# KiCad board splinter_v2.kicad_pcb
title: splinter; date: 2022-08-25; rev: 0.1; company: filterpaper
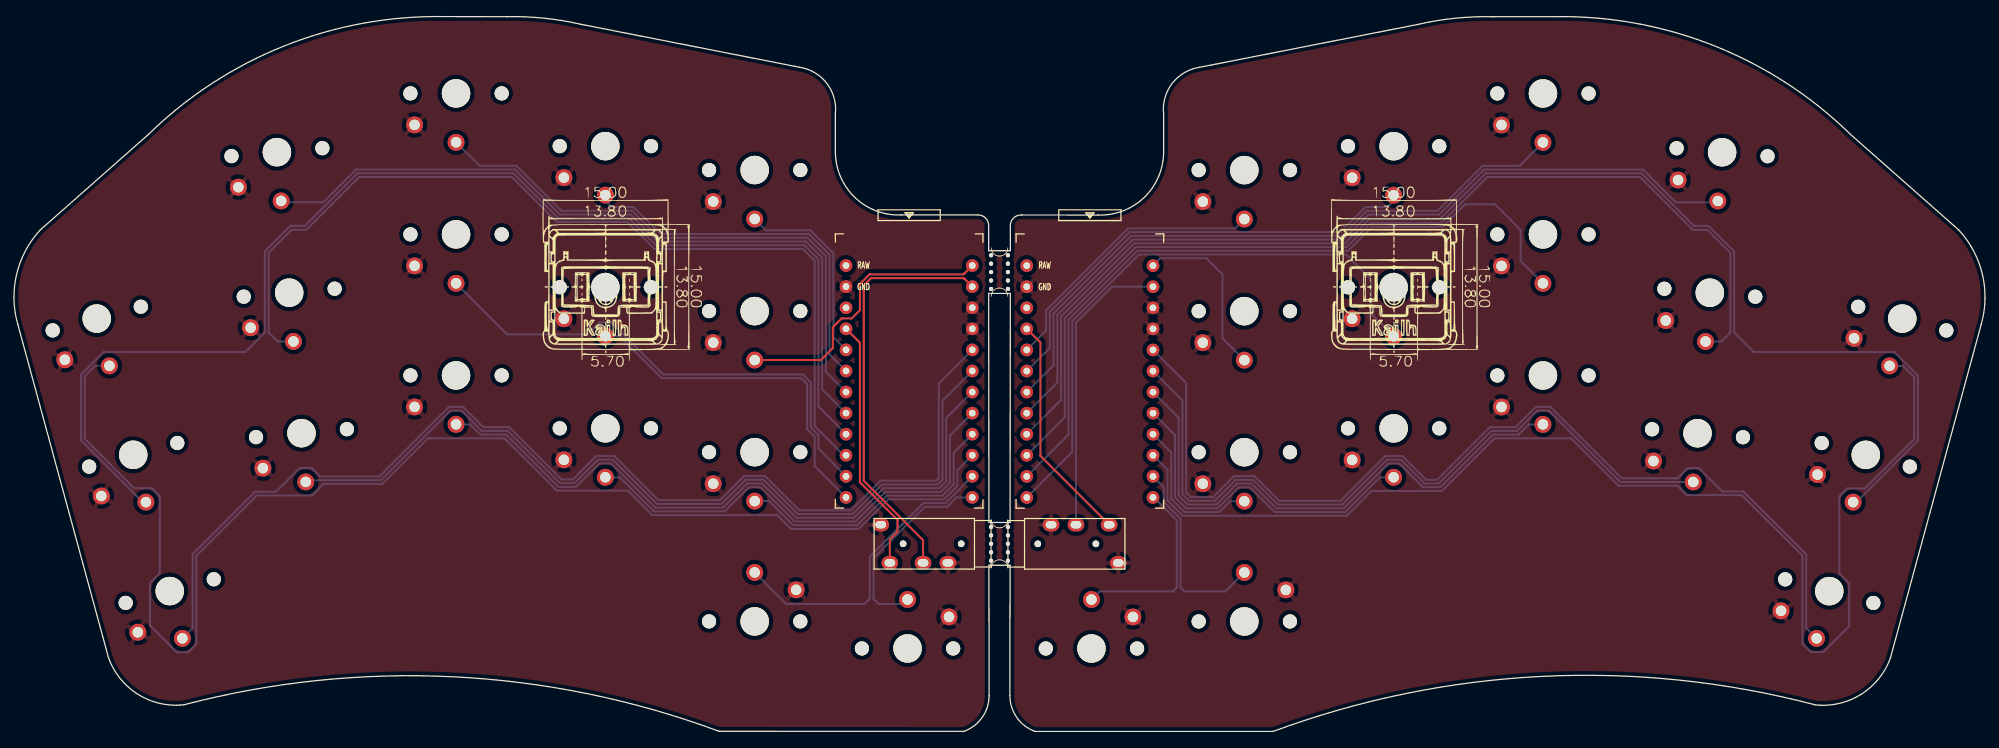
[diagram p0: board, top side]
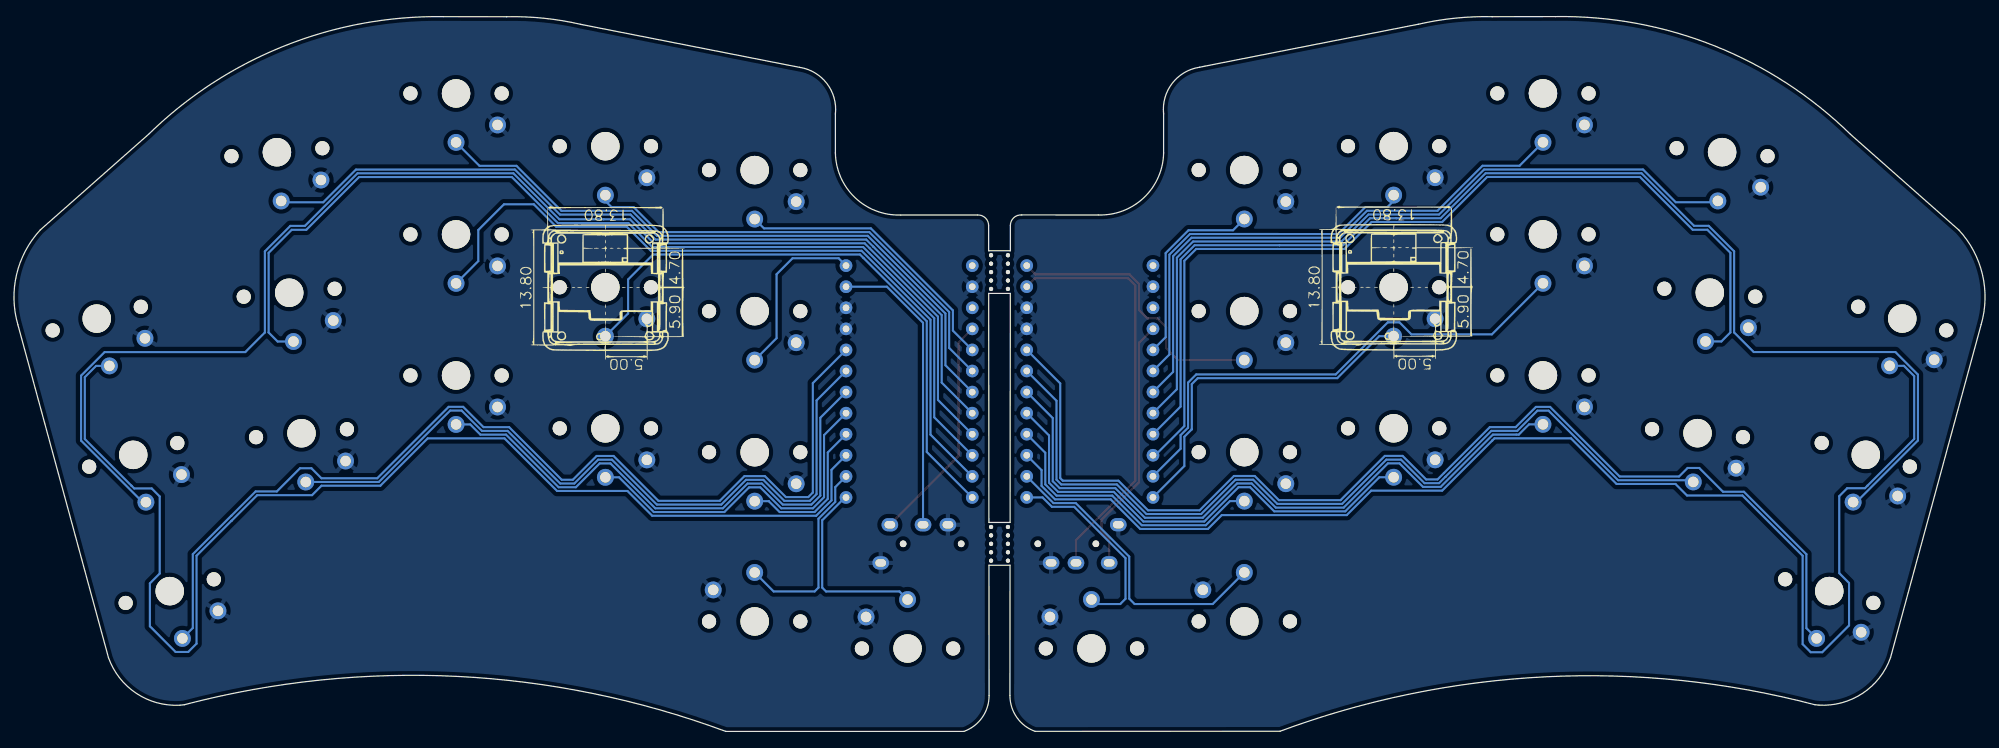
[diagram p1: board, bottom side, seen from below]

Outline 237.61 x 86.15 mm; copper layers: Top, Bottom. Coordinates in mm from the lower left corner of the outline.
Outline path: 0.47,49.03 arc(0.32,55.08) 3.16,60.43 16.22,71.96 arc(32.58,82.61) 51.78,86.15 59.4,86.14 arc(63.89,85.96) 68.33,85.22 94.71,80.04 arc(97.99,78.1) 99.02,74.43 99.02,69.71 arc(101.4,64.33) 106.9,62.24 116.15,62.24 arc(117.1,61.9) 117.5,60.97 117.5,57.93 120.11,57.93 120.12,60.96 arc(120.51,61.89) 121.47,62.24 130.71,62.23 arc(136.21,64.32) 138.59,69.71 138.59,74.42 arc(139.62,78.09) 142.9,80.03 169.29,85.22 arc(173.72,85.95) 178.21,86.13 185.83,86.14 arc(205.03,82.6) 221.39,71.95 234.45,60.42 arc(237.29,55.07) 237.14,49.02 226.22,8.89 arc(222.86,4.59) 217.6,3.16 217.09,3.21 arc(184.2,6.63) 151.8,0 123.09,0 arc(120.89,1.68) 120.06,4.32 120.08,20.03 117.54,20.03 117.55,4.33 arc(116.72,1.68) 114.52,0.01 84.98,0.02 arc(52.99,6.58) 20.52,3.22 20.02,3.17 arc(14.75,4.6) 11.39,8.9 0.47,49.03 ; 117.5,52.79 120.11,52.79 120.08,25.19 117.53,25.19 117.5,52.79

## Placement (name value [footprint] x y rotation side)
Jack0  TRRS  [TRRS-PJ-DPB2]  115.79 22.61 270 top
Jack0#2  TRRS  [TRRS-PJ-DPB2]  121.82 22.61 90 top
mouse-bite-5mm-slot  VAL**  [mouse-bite-5mm-slot-with-space-for-track]  118.81 22.61 0 top
mouse-bite-5mm-slot#2  VAL**  [mouse-bite-5mm-slot-with-space-for-track]  118.81 55.36 0 top
SW3  SW_Push  [SW_PG1350_rev_DPB2]  31.7 69.81 5 top
SW3#2  SW_Push  [SW_PG1350_rev_DPB2#2]  205.91 69.8 175 bottom
SW4  SW_Push  [SW_PG1350_rev_DPB2]  53.29 76.9 0 top
SW4#2  SW_Push  [SW_PG1350_rev_DPB2#2]  184.32 76.89 180 bottom
SW5  SW_Push  [SW_PG1350_rev_DPB2]  71.29 70.54 0 top
SW5#2  SW_Push  [SW_PG1350_rev_DPB2#2]  166.32 70.53 180 bottom
SW6  SW_Push  [SW_PG1350_rev_DPB2]  89.29 67.66 0 top
SW6#2  SW_Push  [SW_PG1350_rev_DPB2#2]  148.32 67.65 180 bottom
SW8  SW_Push  [SW_PG1350_rev_DPB2]  14.38 33.34 15 top
SW8#2  SW_Push  [SW_PG1350_rev_DPB2]  18.78 16.91 15 top
SW8#3  SW_Push  [SW_PG1350_rev_DPB2#2]  223.23 33.33 165 bottom
SW8#4  SW_Push  [SW_PG1350_rev_DPB2#2]  218.83 16.91 165 bottom
SW9  SW_Push  [SW_PG1350_rev_DPB2]  33.18 52.88 5 top
SW9#2  SW_Push  [SW_PG1350_rev_DPB2#2]  204.43 52.87 175 bottom
SW10  SW_Push  [SW_PG1350_rev_DPB2]  53.29 59.91 0 top
SW10#2  SW_Push  [SW_PG1350_rev_DPB2#2]  184.32 59.9 180 bottom
SW11  SW_Push  [SW_PG1350_rev_DPB2]  71.29 53.54 0 top
SW11#2  SW_Push  [SW_PG1350_rev_DPB2#2]  166.32 53.53 180 bottom
SW12  SW_Push  [SW_PG1350_rev_DPB2]  89.29 50.66 0 top
SW12#2  SW_Push  [SW_PG1350_rev_DPB2#2]  148.32 50.65 180 bottom
SW14  SW_Push  [SW_PG1350_rev_DPB2]  9.98 49.76 15 top
SW14#2  SW_Push  [SW_PG1350_rev_DPB2#2]  227.63 49.75 165 bottom
SW15  SW_Push  [SW_PG1350_rev_DPB2]  34.66 35.94 5 top
SW15#2  SW_Push  [SW_PG1350_rev_DPB2#2]  202.95 35.94 175 bottom
SW16  SW_Push  [SW_PG1350_rev_DPB2]  53.29 42.91 0 top
SW16#2  SW_Push  [SW_PG1350_rev_DPB2#2]  184.32 42.9 180 bottom
SW17  SW_Push  [SW_PG1350_rev_DPB2]  71.29 36.53 0 top
SW17#2  SW_Push  [SW_PG1350_rev_DPB2#2]  166.32 36.52 180 bottom
SW18  SW_Push  [SW_PG1350_rev_DPB2]  89.29 33.66 0 top
SW18#2  SW_Push  [SW_PG1350_rev_DPB2#2]  148.32 33.65 180 bottom
SW20  SW_Push  [SW_PG1350_rev_DPB2]  89.29 13.26 180 top
SW20#2  SW_Push  [SW_PG1350_rev_DPB2#2]  148.32 13.25 0 bottom
SW21  SW_Push  [SW_PG1350_rev_DPB2]  107.72 10 180 top
SW21#2  SW_Push  [SW_PG1350_rev_DPB2#2]  129.89 9.99 0 bottom
U1  ProMicro-kbd  [ProMicro_v3_min_dual]  107.91 41.66 0 top
U1#2  ProMicro-kbd  [ProMicro_v3_min_dual]  129.7 41.66 0 top

## Library data of the parts
Jack0 = -: Field4: Tip; Field5: Ring2; Field6: Ring1; Field7: Sleeve
Jack0#2 = -: Field4: Ring1; Field5: Sleeve; Field6: Tip; Field7: Ring2

## Footprints (pads in the part's own frame, mm; a bottom-side part is the same pattern mirrored in y, then rotated)
mouse-bite-5mm-slot-with-space-for-track
  round 0.5 hole 0.5 unplated: (-1.016,2.032) (-1.016,1.016) (-1.016,0) (-1.016,-1.016) (-1.016,-2.032) (1.016,2.032) (1.016,1.016) (1.016,0) (1.016,-1.016) (1.016,-2.032)
ProMicro_v3_min_dual
  round 1.524 hole 0.813: 1(7.611,14.478) 2(7.611,11.938) 3(7.611,9.398) 4(7.611,6.858) 5(7.611,4.318) 6(7.611,1.778) 7(7.611,-0.762) 8(7.611,-3.302) 9(7.611,-5.842) 10(7.611,-8.382) 11(7.611,-10.922) 12(7.611,-13.462) 13(-7.609,-13.462) 14(-7.609,-10.922) 15(-7.609,-8.382) 16(-7.609,-5.842) 17(-7.609,-3.302) 18(-7.609,-0.762) 19(-7.609,1.778) 20(-7.609,4.318) 21(-7.609,6.858) 22(-7.609,9.398) 23(-7.609,11.938) 24(-7.609,14.478)
SW_PG1350_rev_DPB2
  round 1.702 hole 1.702 unplated: (-5.5,0) (5.5,0)
  round 3.429 hole 3.429 unplated: (0,0)
  round 2.032 hole 1.27: 1(0,-5.9) 2(-5,-3.8)
SW_PG1350_rev_DPB2#2
  round 1.702 hole 1.702 unplated: (-5.5,0) (5.5,0)
  round 3.429 hole 3.429 unplated: (0,0)
  round 2.032 hole 1.27: 1(0,-5.9) 2(5,-3.8)
TRRS-PJ-DPB2
  round 0.8 hole 0.8 unplated: (0,-1.6) (0,-8.6)
  oval 1.6x2 hole 0.9x1.3: R1(2.3,-6.2) R2(2.3,-3.2) S(-2.3,-11.3) T(2.3,-10.2)

## Nets
gnd: Jack0.R2 Jack0.S Jack0#2.R2 Jack0#2.S SW3.2 SW3#2.2 SW4.2 SW4#2.2 SW5.2 SW5#2.2 SW6.2 SW6#2.2 SW8.2 SW8#2.2 SW8#3.2 SW8#4.2 SW9.2 SW9#2.2 SW10.2 SW10#2.2 SW11.2 SW11#2.2 SW12.2 SW12#2.2 SW14.2 SW14#2.2 SW15.2 SW15#2.2 SW16.2 SW16#2.2 SW17.2 SW17#2.2 SW18.2 SW18#2.2 SW20.2 SW20#2.2 SW21.2 SW21#2.2 U1.3 U1.4 U1.23 U1#2.3 U1#2.4 U1#2.23
vcc: Jack0.T Jack0#2.T U1.21 U1#2.21
raw: U1.24 U1#2.24
reset: U1.22 U1#2.22
Switch1: SW14.1 U1.10
Switch1_r: SW14#2.1 U1#2.10
Switch2: SW3.1 U1.17
Switch2_r: SW3#2.1 U1#2.17
Switch3: SW4.1 U1.18
Switch3_r: SW4#2.1 U1#2.18
Switch4: SW5.1 U1.19
Switch4_r: SW5#2.1 U1#2.19
Switch5: SW6.1 U1.20
Switch5_r: SW6#2.1 U1#2.20
Switch6: SW8.1 U1.16
Switch6_r: SW8#3.1 U1#2.16
Switch7: SW9.1 U1.15
Switch7_r: SW9#2.1 U1#2.15
Switch8: SW10.1 U1.14
Switch8_r: SW10#2.1 U1#2.14
Switch9: SW11.1 U1.13
Switch9_r: SW11#2.1 U1#2.13
Switch10: SW12.1 U1.1
Switch10_r: SW12#2.1 U1#2.1
Switch11: SW8#2.1 U1.5
Switch11_r: SW8#4.1 U1#2.5
Switch12: SW15.1 U1.6
Switch12_r: SW15#2.1 U1#2.6
Switch13: SW16.1 U1.7
Switch13_r: SW16#2.1 U1#2.7
Switch14: SW17.1 U1.8
Switch14_r: SW17#2.1 U1#2.8
Switch15: SW18.1 U1.9
Switch15_r: SW18#2.1 U1#2.9
Switch16: SW20.1 U1.11
Switch16_r: SW20#2.1 U1#2.11
Switch17: SW21.1 U1.12
Switch17_r: SW21#2.1 U1#2.12
Switch18: Jack0.R1 U1.2
Switch18_r: Jack0#2.R1 U1#2.2

## Routing (per net, layer and track width the routed paths; a pad name or vN(x,y) marks a point on that pad's centre or on a via; arc(x,y) is an arc through that point)
gnd: length 0.5
  Top w0.25: 115.52,51.06 116.02,51.06
vcc: length 58.9
  Top w0.25: Jack0#2.T 132.02,24.92 123.74,33.21 123.74,46.87 U1#2.21 ; U1.21 101.99,46.84 101.99,30.02 106.52,25.49 106.52,24.07 105.59,23.14 Jack0.T
Switch1: length 165.7
  Bottom w0.25: 104.46,27.03 105.4,27.97 112.11,27.97 113.74,29.59 113.74,31.49 U1.10 ; 104.48,27.04 101.83,24.4 93.68,24.4 92.01,26.07 76.94,26.07 74,29.02 65.44,29.02 59.14,35.32 49.92,35.32 44.42,29.82 37.32,29.82 35.93,28.43 29.25,28.43 21.99,21.17 21.99,10.51 21.02,9.54 19.63,9.54 16.4,12.77 16.4,17.89 17.58,19.07 17.58,28.35 16.62,29.31 14.48,29.31 14.17,29.62 8.54,35.25 8.54,42.82 9.78,44.06 SW14.1
Switch1_r: length 150.1
  Bottom w0.25: U1#2.10 139.06,31.53 139.06,27.84 140.91,25.99 160.67,25.99 163.66,28.98 172.14,28.98 178.48,35.32 187.73,35.32 193.44,29.61 200.54,29.61 201.68,28.47 208.29,28.47 211.39,25.38 211.39,25.38 215.6,21.17 215.6,10.58 216.6,9.58 218.13,9.58 221.23,12.68 221.23,17.84 220.04,19.03 220.04,28.32 221.01,29.29 223.12,29.29 223.44,29.61 229.07,35.24 229.07,42.69 227.71,44.05 SW14#2.1
Switch2: length 91.5
  Bottom w0.25: U1.17 97.43,41.24 97.43,57.09 95.47,59.05 77.57,59.05 74.32,62.3 65.82,62.3 60.39,67.72 41.23,67.72 37.29,63.78 31.9,63.78
Switch2_r: length 101.9
  Bottom w0.25: U1#2.17 125.77,42.04 125.77,50.18 134.02,58.42 134.87,59.28 160.28,59.28 163.29,62.29 171.8,62.29 177.22,67.71 196.39,67.71 200.33,63.77 205.24,63.77 SW3#2.1
Switch3: length 67.6
  Bottom w0.25: SW4.1 56.12,68.17 60.58,68.17 66,62.75 74.51,62.75 77.76,59.5 95.65,59.5 97.88,57.27 97.88,43.33 U1.18
Switch3_r: length 78.3
  Bottom w0.25: SW4#2.1 181.49,68.16 177.03,68.16 171.61,62.74 163.1,62.74 160.09,59.73 134.69,59.73 125.32,50.36 125.32,44.13 U1#2.18
Switch4: length 45.2
  Bottom w0.25: SW5.1 71.29,63.94 72.04,63.2 74.7,63.2 77.95,59.95 84.41,59.95 85.82,59.95 95.84,59.95 98.33,57.46 98.33,45.42 U1.19
Switch4_r: length 56
  Bottom w0.25: SW5#2.1 166.32,63.94 165.57,63.19 162.91,63.19 159.9,60.18 134.5,60.18 124.87,50.55 124.87,46.22 U1#2.19
Switch5: length 23.5
  Bottom w0.25: SW6.1 90.65,60.4 96.02,60.4 98.78,57.65 98.78,47.51 U1.20
Switch5_r: length 34.2
  Bottom w0.25: SW6#2.1 147.2,60.63 134.31,60.63 124.42,50.74 124.42,48.31 U1#2.20
Switch6: length 150.3
  Bottom w0.25: U1.16 96.98,39.15 96.98,56.9 95.28,58.6 85.05,58.6 77.39,58.6 74.14,61.85 70.97,61.85 65.63,61.85 60.21,67.27 41.41,67.27 35.07,60.93 33.32,60.93 30.25,57.86 30.25,48.08 27.89,45.72 10.81,45.72 8.09,43.01 8.09,35.06 15.51,27.64 SW8.1
Switch6_r: length 160.9
  Bottom w0.25: 134.46,58.23 135.06,58.83 160.46,58.83 163.36,61.72 166.53,61.72 171.87,61.72 177.41,67.26 196.2,67.26 202.54,60.92 204.3,60.92 207.36,57.85 207.36,48.08 209.72,45.72 226.68,45.72 229.52,42.88 229.52,35.05 222.1,27.63 SW8#3.1 ; U1#2.16 126.22,39.95 126.22,49.99 134.46,58.22
Switch7: length 112
  Bottom w0.25: SW9.1 31.78,47 30.7,48.08 30.7,57.67 33.48,60.46 35.24,60.46 41.6,66.82 60.02,66.82 65.44,61.4 73.95,61.4 77.2,58.15 85.28,58.15 95.09,58.15 96.53,56.71 96.53,36.79 100.04,33.28 U1.15
Switch7_r: length 122.5
  Bottom w0.25: SW9#2.1 205.83,46.99 206.91,48.08 206.91,57.67 204.13,60.45 202.37,60.45 196.01,66.81 177.59,66.81 172.05,61.27 163.54,61.27 160.65,58.38 135.25,58.38 126.67,49.81 126.67,37.86 U1#2.15
Switch8: length 62
  Bottom w0.25: U1.14 96.98,34.07 96.98,35.71 96.08,36.6 96.08,36.6 96.08,42.04 95.09,43.02 78.28,43.02 72,49.3 70.6,49.3 69.15,47.85 59.45,47.85 SW10.1
Switch8_r: length 90.1
  Bottom w0.25: U1#2.14 127.12,35.77 127.12,49.62 135.43,57.93 160.83,57.93 163.73,60.82 172.24,60.82 174.94,63.53 178.54,63.53 181.64,60.43 181.64,56.68 SW10#2.1
Switch9: length 42.3
  Bottom w0.25: U1.13 96.53,31.98 96.53,35.51 95.63,36.41 95.63,36.42 95.63,36.42 95.63,41.85 94.91,42.57 78.09,42.57 73.03,47.64 SW11.1
Switch9_r: length 72.1
  Bottom w0.25: U1#2.13 127.57,33.68 127.57,49.43 135.21,57.07 135.22,57.07 135.62,57.48 160.57,57.48 163.58,54.47 163.58,50.37 SW11#2.1
Switch10: length 34.3
  Top w0.25: SW12.1 97.27,44.76 98.72,46.2 98.72,48.71 99.79,49.78 101,49.78 101.99,50.77 101.99,53.94 103.13,55.08 114.47,55.08 114.61,55.22 U1.1
Switch10_r: length 21
  Bottom w0.25: U1#2.1 138.2,57.03 143.75,57.03 145.68,55.1 145.68,47.39 SW12#2.1
Switch11: length 137.5
  Bottom w0.25: SW8#2.1 21.54,12.44 21.54,21.36 29.06,28.88 31.59,28.88 34.46,31.75 35.86,31.75 36.88,30.72 44.05,30.72 52.43,39.11 54.14,39.11 56.58,36.67 59.7,36.67 65.23,31.13 66,30.37 67.38,30.37 70.21,33.2 72.36,33.2 77.69,27.87 85.13,27.87 88.04,30.78 90.54,30.78 94.68,26.65 100.9,26.65 104.47,30.22 111.18,30.22 111.49,30.53 111.49,41.94 U1.5
Switch11_r: length 122.2
  Bottom w0.25: U1#2.5 141.31,41.98 141.31,28.79 141.86,28.24 144.56,28.24 147.08,30.77 149.55,30.77 152.53,27.79 159.92,27.79 165.33,33.2 167.38,33.2 170.25,30.33 171.58,30.33 177.92,36.67 181.01,36.67 183.46,39.12 185.21,39.12 193.82,30.51 200.55,30.51 201.75,31.72 203.12,31.72 205.92,28.92 208.48,28.92 211.43,25.97 211.44,25.97 216.05,21.36 216.05,12.46 SW8#4.1
Switch12: length 106.1
  Bottom w0.25: U1.6 111.94,39.85 111.94,30.34 111.36,29.77 104.66,29.77 101.09,26.2 94.49,26.2 90.36,30.33 88.22,30.33 85.31,27.42 77.5,27.42 72.17,32.75 70.4,32.75 67.57,29.92 65.81,29.92 65.05,30.68 59.51,36.22 56.39,36.22 53.96,38.66 52.62,38.66 44.23,30.27 35.57,30.27
Switch12_r: length 91.1
  Bottom w0.25: U1#2.6 140.86,39.89 140.86,28.6 141.67,27.79 144.74,27.79 147.27,30.32 149.37,30.32 152.34,27.34 160.11,27.34 165.52,32.75 167.19,32.75 170.06,29.88 171.76,29.88 178.11,36.22 181.2,36.22 183.64,38.67 185.02,38.67 193.63,30.06 SW15#2.1
Switch13: length 82.4
  Bottom w0.25: SW16.1 54.97,37.01 56.21,35.77 56.5,35.77 ; 56.5,35.77 59.32,35.77 65.63,29.47 67.75,29.47 70.59,32.3 71.99,32.3 77.32,26.97 85.5,26.97 88.41,29.88 90.17,29.88 94.31,25.75 101.27,25.75 104.84,29.32 111.55,29.32 112.39,30.15 112.39,37.76 U1.7
Switch13_r: length 67
  Bottom w0.25: U1#2.7 140.41,37.8 140.41,28.41 141.48,27.34 144.93,27.34 147.46,29.87 149.18,29.87 152.16,26.89 160.29,26.89 165.7,32.3 167,32.3 169.87,29.43 171.95,29.43 178.29,35.77 181.38,35.77 182.61,37 SW16#2.1
Switch14: length 57.6
  Bottom w0.25: U1.8 112.84,35.67 112.84,29.97 111.74,28.87 105.03,28.87 101.46,25.3 94.12,25.3 89.99,29.43 88.6,29.43 85.69,26.52 77.13,26.52 73.02,30.63 SW17.1
Switch14_r: length 42.2
  Bottom w0.25: SW17#2.1 164.67,30.62 160.48,26.44 151.97,26.44 148.99,29.42 147.64,29.42 145.11,26.89 141.3,26.89 139.96,28.23 139.96,35.71 U1#2.8
Switch15: length 34.2
  Bottom w0.25: SW18.1 91.03,27.76 93.93,24.85 101.65,24.85 105.22,28.42 111.93,28.42 113.29,29.78 113.29,33.58 U1.9
Switch15_r: length 18.7
  Bottom w0.25: SW18#2.1 146.61,27.75 146.61,27.74 145.31,26.44 141.1,26.44 139.51,28.03 139.51,33.62 U1#2.9
Switch16: length 37.2
  Bottom w0.25: U1.11 112.3,27.52 109.62,27.52 103.17,21.07 103.17,16 102.52,15.35 93.1,15.35 SW20.1
Switch16_r: length 23.6
  Bottom w0.25: SW20#2.1 146.03,16.87 141.09,16.87 140.63,17.33 140.63,25.63 138.61,27.65 138.61,29.44 U1#2.11
Switch17: length 24.4
  Bottom w0.25: U1.12 113.62,28.2 112.49,27.07 109.8,27.07 103.62,20.88 103.62,15.98 104.25,15.35 107.17,15.35 SW21.1
Switch17_r: length 23
  Bottom w0.25: SW21#2.1 130.87,16.87 139.72,16.87 140.18,17.33 140.18,25.45 137.43,28.19 U1#2.12
Switch18: length 50.3
  Top w0.25: U1.2 114.58,54.55 114.5,54.63 103.32,54.63 102.44,53.75 102.44,30.21 109.59,23.05 Jack0.R1
Switch18_r: length 35.4
  Bottom w0.25: U1#2.2 132.37,53.59 128.02,49.25 Jack0#2.R1

## Copper pours and planes (outline as drawn; the poured copper is in the pictures)
gnd on Top: 263.08,92.59 261.7,-5.32 -4.59,-3.25 -3.67,94.51
gnd on Bottom: 253.18,-5.54 253.18,89.59 -6.22,89.43 -6.97,-5.71
